# Altium PCB AT91-PCB.PcbDoc (part 2 of 3)
Units mm, origin at the board's own origin, x right, y up, seen from the top; angles counter-clockwise.
Board outline 112.5 x 92.7 mm, 2 copper layers (Top Layer, Bottom Layer), stack 1.671 mm thick; 226 components, 269 nets, 1126 pads, 364 vias.
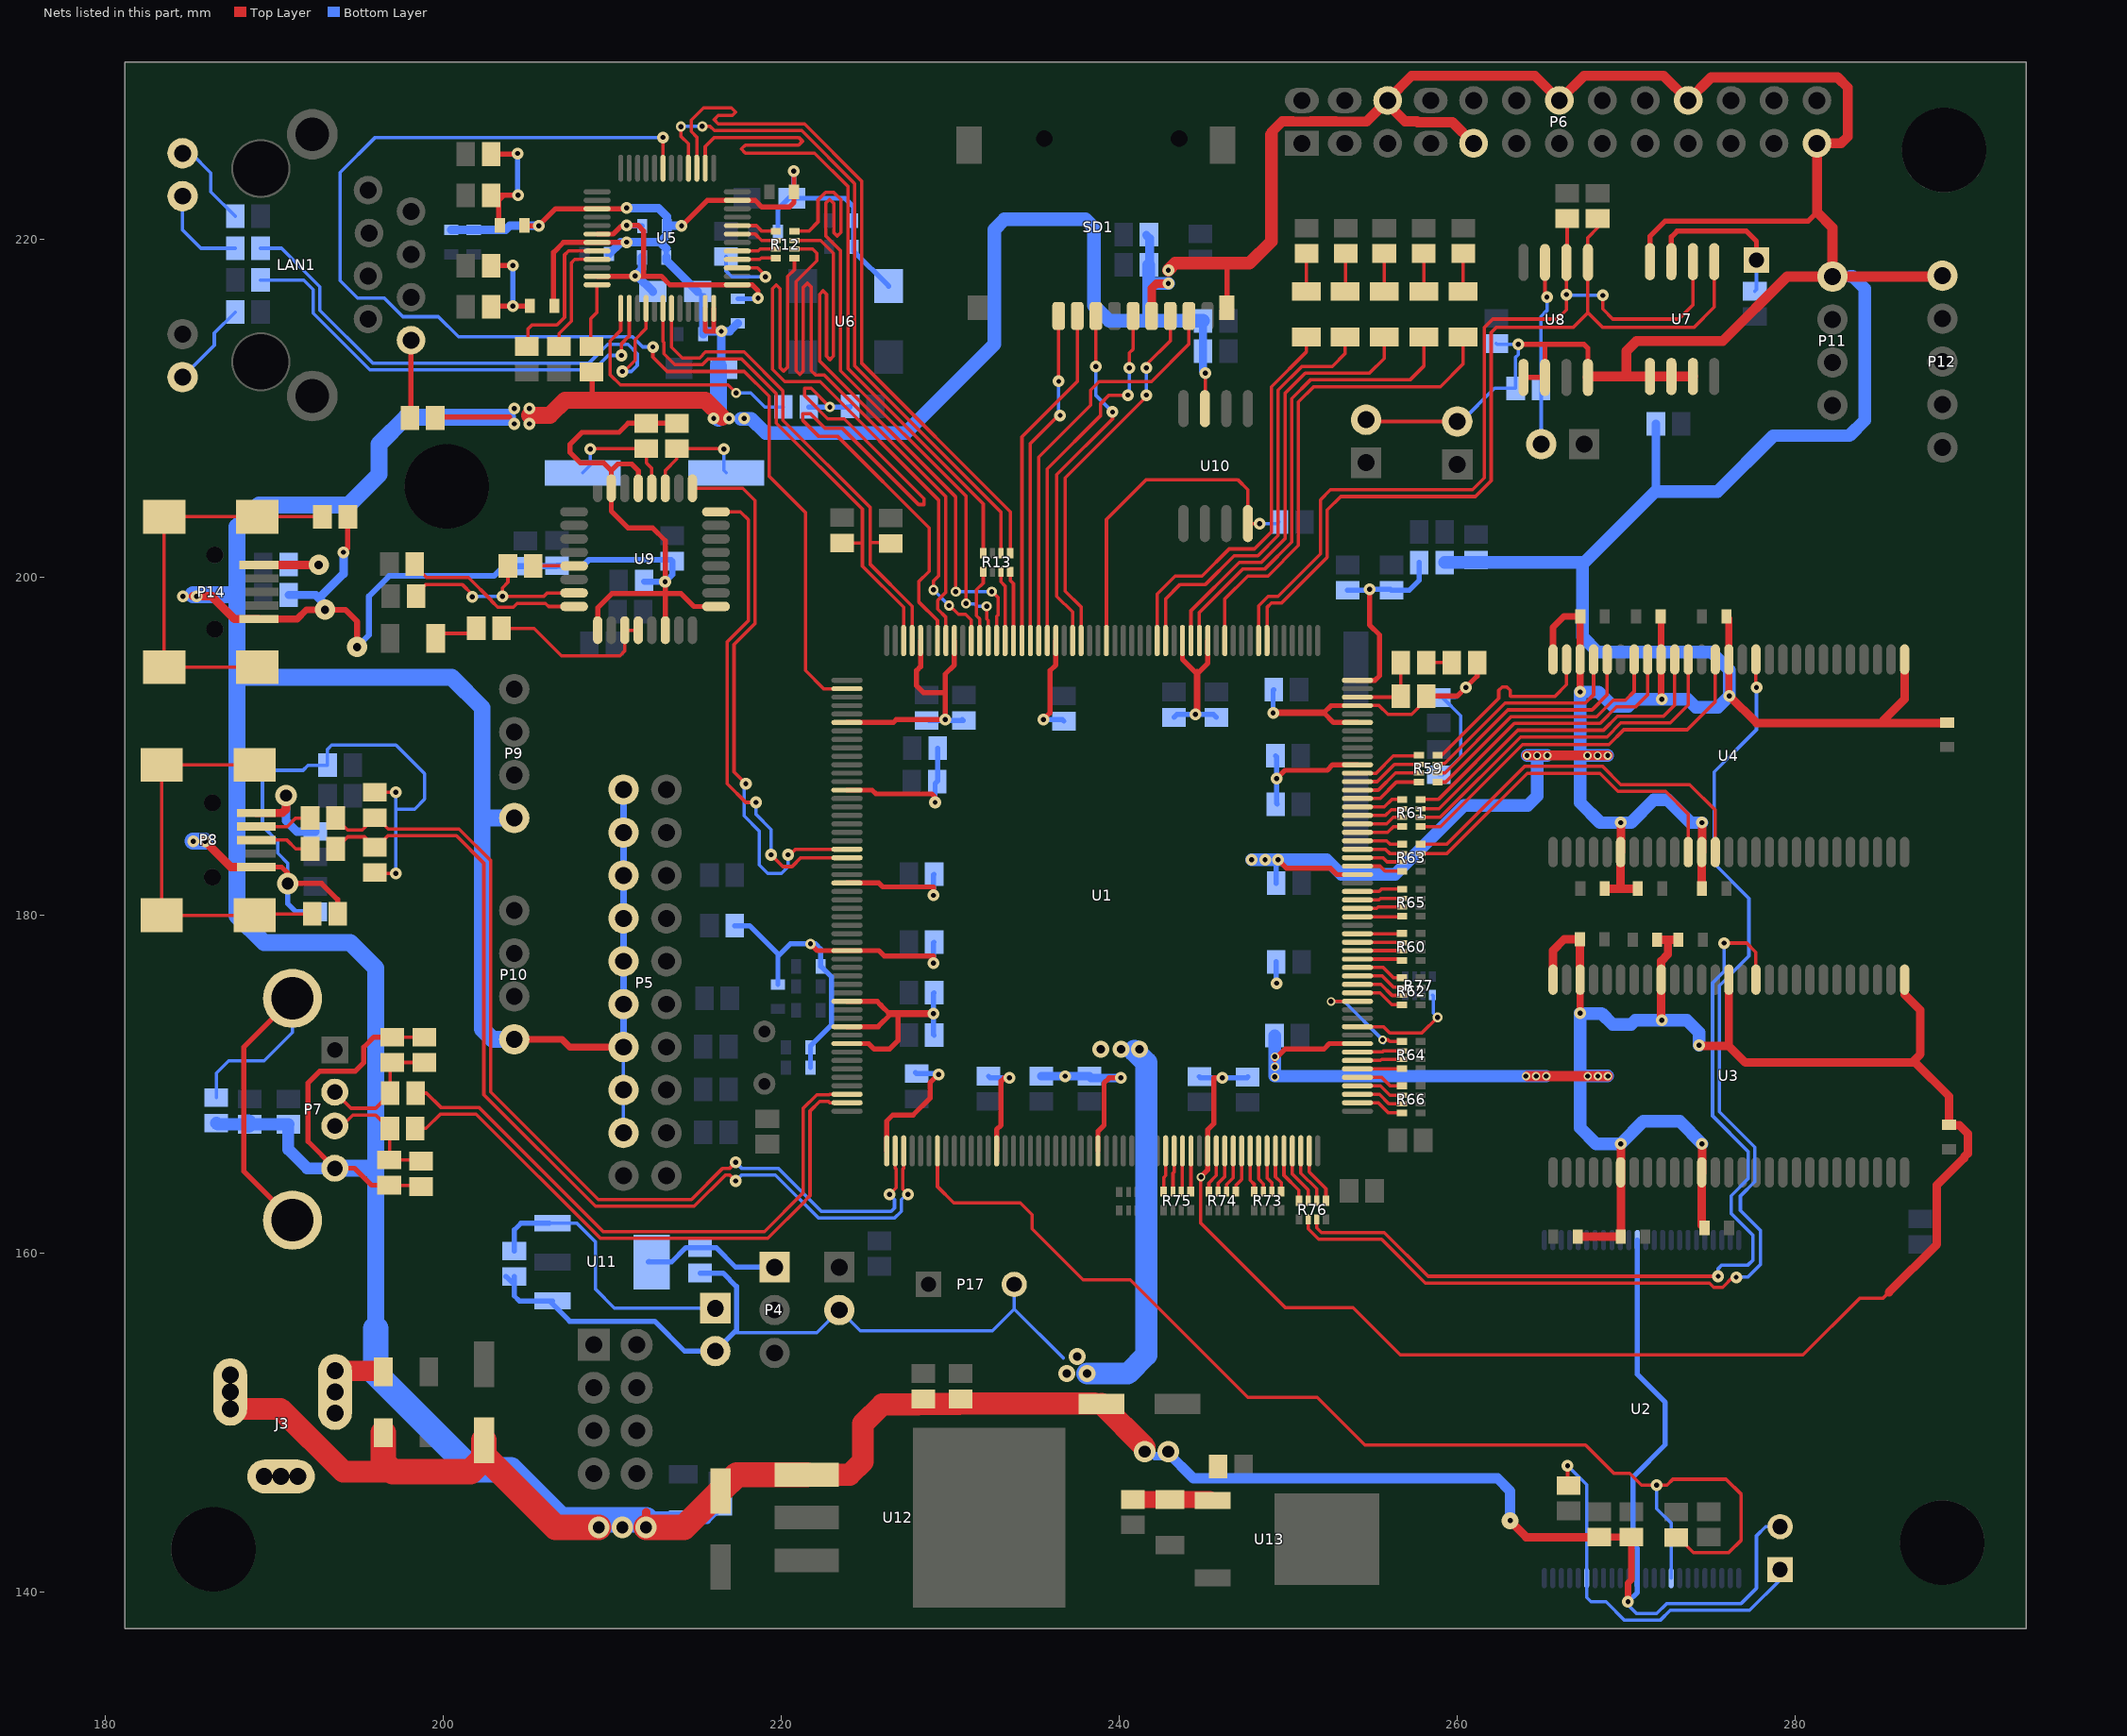
[diagram p2: the nets of this part, all layers, seen from the top]

## Via types
v1: diameter 0.7, hole 0.3, Top Layer to Bottom Layer, 267 vias
v2: diameter 1.27, hole 0.711, Top Layer to Bottom Layer, 40 vias
v3: diameter 0.5, hole 0.3, Top Layer to Bottom Layer, 21 vias
v4: diameter 0.6, hole 0.3, Top Layer to Bottom Layer, 16 vias
v5: diameter 1, hole 0.5, Top Layer to Bottom Layer, 15 vias
v6: diameter 1.2, hole 0.5, Top Layer to Bottom Layer, 3 vias
v7: diameter 1, hole 0.3, Top Layer to Bottom Layer, 2 vias

## Nets (pads, with @x,y where several pads share a name; then routed paths per layer and width w, separated by ;. In a path a pad name is that pad's centre, name@x,y a point inside that pad or via, vN(x,y) a via of type N, cw(c..) or ccw(c..) an arc to the next point about the centre after c; other vN are vias at no path point) (continued)
D22: R63.7 U4.11 | length 21
  Top Layer w0.2: R63.7@257.83,183.68 259.396,183.68 264.141,188.425 268.434,188.425 269.509,187.35 272.316,187.35 273.664,186.002 U4.11@273.664,183.759
D23: R63.8 U4.13 | length 22.9
  Top Layer w0.2: R63.8@257.83,184.23 259.38,184.23 263.975,188.825 268.6,188.825 269.675,187.75 273.75,187.75 275.264,186.236 U4.13@275.264,183.759
D24: R61.5 U4.42 | length 23
  Top Layer w0.2: R61.5@257.83,185.27 259.001,185.27 263.856,190.125 268.975,190.125 269.85,191 273.6,191 275.264,192.664 U4.42@275.264,195.159
D25: R61.6 U4.44 | length 21.3
  Top Layer w0.2: R61.6@257.83,185.82 258.986,185.82 263.741,190.575 268.85,190.575 269.675,191.4 272.6,191.4 273.664,192.464 U4.44@273.664,195.159
D26: R61.7 U4.45 | length 20.3
  Top Layer w0.2: R61.7@257.83,186.32 258.92,186.32 263.575,190.975 268.65,190.975 269.475,191.8 272.2,191.8 272.864,192.464 U4.45@272.864,195.159
D27: R61.8 U4.47 | length 18.1
  Top Layer w0.2: R61.8@257.83,186.87 258.87,186.87 263.375,191.375 268.45,191.375 269.425,192.35 270.55,192.35 271.264,193.064 U4.47@271.264,195.159
D28: R59.5 U4.48 | length 15.8
  Top Layer w0.2: R59.5@258.83,187.9 259.3,187.9 263.175,191.775 268.25,191.775 269.225,192.75 269.95,192.75 270.464,193.264 U4.48@270.464,195.159
D29: R59.6 U4.50 | length 14
  Top Layer w0.2: R59.6@258.83,188.45 259.27,188.45 262.995,192.175 267.975,192.175 268.864,193.064 U4.50@268.864,195.159
D30: R59.7 U4.51 | length 13
  Top Layer w0.2: R59.7@258.83,188.95 258.88,189 259.254,189 262.829,192.575 267.575,192.575 268.064,193.064 U4.51@268.064,195.159
D31: R59.8 U4.53 | length 11.8
  Top Layer w0.2: R59.8@258.83,189.5 259.1,189.5 262.45,192.85 262.45,193.325 262.65,193.525 262.925,193.525 263.125,193.325 263.125,193 263.15,192.975 265.775,192.975 266.464,193.664 U4.53@266.464,195.159
DATAFLASH_CSN: R57.2 U1.182 U10.4 | length 20.6
  Top Layer w0.2: U1.182@239.239,196.278 239.239,203.439 241.6,205.8 247,205.8 247.605,205.195 U10.4@247.605,203.2 v1(248.3,203.2)
  Bottom Layer w0.2: v1(248.3,203.2) 249.35,203.2 R57.2@249.45,203.3
DD_N: C92.2 R50.1 U1.54 | length 57
  Top Layer w0.2: R50.1@193.625,185.775 194.337,185.062 195.213,185.062 C92.2@195.95,185.8 196.07,185.8 196.745,185.125 200.941,185.125 202.8,183.266 202.8,169.566 209.166,163.2 214.684,163.2 216.534,165.05 216.95,165.05 v1(217.3,165.4) v1@217.199,165.4 ; v1(226.4,163.5) 226.789,163.889 226.789,165.003 226.739,165.053 U1.54@226.739,166.078
  Bottom Layer w0.2: v1(217.3,165.4) 217.65,165.05 219.816,165.05 222.366,162.5 226.5,162.5 226.7,162.7 226.7,163.2 v1(226.4,163.5)
DD_P: C93.2 R51.1 U1.55 | length 57.8
  Top Layer w0.2: R51.1@193.625,183.95 194.337,184.662 195.337,184.662 C93.2@195.95,184.05 196.05,184.05 196.725,184.725 200.775,184.725 202.4,183.1 202.4,169.4 209,162.8 214.85,162.8 216.7,164.65 216.95,164.65 v1(217.3,164.3) ; U1.55@227.239,166.078 227.239,165.053 227.189,165.003 227.189,163.811 v1(227.5,163.5)
  Bottom Layer w0.2: v1(217.3,164.3) 217.65,164.65 219.65,164.65 222.2,162.1 226.7,162.1 227.1,162.5 227.1,163.2 227.5,163.6 v1(227.5,163.5)
DRXD: U1.21 U9.25 | length 33.4
  Top Layer w0.2: U9.25@214.738,205.292 217.725,205.292 218.45,204.567 218.45,197.284 217.2,196.034 217.2,188.5 v1(217.9,187.8) ; v1@220.4,183.799 v1(220.4,183.6) 220.5,183.6 220.828,183.928 U1.21@223.889,183.928
  Bottom Layer w0.2: v1(217.9,187.8) 217.8,187.7 217.8,185.9 218.7,185 218.7,183 219.2,182.5 220,182.5 220.4,182.9 v1(220.4,183.6)
DTXD: U1.22 U9.24 | length 28.9
  Top Layer w0.2: U9.24@216.138,203.892 217.583,203.892 218.05,203.425 218.05,197.45 216.8,196.2 216.8,187.8 217.9,186.7 v1(218.5,186.7) ; v1(219.4,183.6) 220.1,182.9 220.634,182.9 221.163,183.428 U1.22@223.889,183.428
  Bottom Layer w0.2: v1(218.5,186.7) 218.5,186 219.4,185.1 v1(219.4,183.6)
EMDC: R16.1 U1.205 U5.31 | length 29.4
  Top Layer w0.2: U5.31@213.5,215.93 213.5,213.641 214.141,213 215.169,213 215.519,213.35 217.8,213.35 220.1,211.05 220.1,209.316 225.25,204.166 225.25,202.075 ; R16.1@226.475,202.025 226.425,202.075 225.25,202.075 ; U1.205@227.739,196.278 227.739,198.311 225.25,200.8 225.25,202.075
EMDINTR: U1.2 U5.7 | length 76.8
  Top Layer w0.2: v1(212.4,213.65) 212.4,213.05 213.25,212.2 217.8,212.2 219.275,210.725 219.275,206 221.425,203.85 221.425,194.5 222.497,193.428 U1.2@223.889,193.428 ; U5.7@213,224.23 v1(213,226.05)
  Bottom Layer w0.2: v1(212.4,213.65) 211.8,213.65 211.2,214.25 200.9,214.25 199.711,215.439 197.615,215.439 196.504,216.55 194.925,216.55 193.9,217.575 193.9,223.975 195.975,226.05 v1(213,226.05)
EMDIO: R17.2 U1.206 U5.30 | length 29.6
  Top Layer w0.2: U5.30@213,215.93 213,213.969 213.05,213.919 213.05,213.25 213.7,212.6 215.335,212.6 215.685,212.95 217.634,212.95 219.7,210.884 219.7,209.15 224.8,204.05 224.8,202.025 ; R17.2@223.6,202.05 224.775,202.05 224.8,202.025 ; U1.206@227.239,196.278 227.239,198.246 224.8,200.684 224.8,202.025
EP_WP: P1.2 R32.2 U8.7 | length 11.1
  Top Layer w0.2: v1(265.3,216.6) 265.185,216.715 U8.7@265.185,218.649 U8.7@265.3,218.534
  Bottom Layer w0.2: P1.2@264.96,207.9 264.96,211.19 R32.2@264.95,211.2 264.95,215.45 265.3,215.8 v1(265.3,216.6)
ERX0: R12.3 U1.195 | length 39.8
  Top Layer w0.2: R12.3@220.775,219.95 222.334,219.95 223.08,219.205 223.08,213.105 222.875,212.9 222.675,213.1 222.675,216.775 222.475,216.975 222.275,216.775 222.275,212.816 230.325,204.766 v4(230.325,199.175) ; v4(232.45,199.175) 232.475,199.175 232.839,198.811 232.839,197.814 232.739,197.714 U1.195@232.739,196.278
  Bottom Layer w0.2: v4(230.325,199.175) v4(232.45,199.175) 232.45,199.225 v4@232.475,199.25
ERX1: R12.4 U1.196 | length 40.5
  Top Layer w0.2: R12.4@220.775,220.5 221.625,220.5 222.175,221.05 222.175,222.35 222.625,222.8 223.1,222.8 223.525,222.375 223.525,220.425 223.313,220.212 223.1,220.425 223.1,222.15 222.863,222.388 222.625,222.15 222.625,220.225 223.5,219.35 223.5,212.25 230.925,204.825 v4(230.925,198.475) ; U1.196@232.239,196.278 232.239,197.464 232.15,197.552 v4(232.15,198.3) v4@232.325,198.3
  Bottom Layer w0.2: v4(230.925,198.475) 230.95,198.45 231.425,198.45 231.575,198.3 v4@232.075,198.3 ; v4@232.175,198.4 v4@232.075,198.3 ; v4@232.302,198.3 v4(232.15,198.3) v4@232.075,198.3
ERXDV: R12.1 U1.198 | length 40
  Top Layer w0.2: 220.375,212.975 220.375,212.45 220.138,212.212 219.925,212.425 219.925,217.1 219.7,217.325 219.475,217.1 219.475,212.325 220.2,211.6 222.3,211.6 229.3,204.6 229.3,200.1 229,199.8 v4(229,199.275) ; 220.375,213 220.375,217.825 220.775,218.225 R12.1@220.775,218.9 ; v4(229.925,198.35) 229.95,198.35 230.475,197.825 230.9,197.825 231.239,197.486 U1.198@231.239,196.278
  Bottom Layer w0.2: v4(229,199.275) v4(229.925,198.35)
ERXER: R12.2 U1.201 | length 40
  Top Layer w0.2: R12.2@220.775,219.45 221.85,219.45 222.1,219.2 222.1,218.75 220.875,217.525 220.875,212.25 221.1,212.025 221.3,212.225 221.3,216.175 221.3,217.175 221.55,217.425 221.775,217.2 221.775,212.25 222.025,212 222.525,212 229.725,204.8 229.725,199.125 229.25,198.65 229.25,198.139 229.739,197.65 U1.201@229.739,196.278
ETX0: R13.8 U1.193 | length 4.2
  Top Layer w0.2: R13.8@233.55,200.35 233.55,199.825 233.739,199.636 U1.193@233.739,196.278 U1.193@233.7,196.317
ETX1: R13.7 U1.194 | length 4.2
  Top Layer w0.2: R13.7@233,200.35 233,199.75 233.239,199.511 U1.194@233.239,196.278
ETXCK: R69.1 R70.1 U1.202 | length 42.1
  Top Layer w0.2: v4(222.875,210.1) 221.775,211.2 221.375,211.2 221.375,210.775 222.75,209.4 223.725,209.4 228.45,204.675 228.45,204.325 228.125,204.325 223.625,208.825 222.6,208.825 221.725,209.7 221.275,209.7 221.275,209.3 222.225,208.35 223.35,208.35 228.75,202.95 228.75,200.375 228.125,199.75 228.125,198.575 229.239,197.461 U1.202@229.239,196.278
  Bottom Layer w0.3: R70.1@221.625,210.1 v4(222.875,210.1) 224.05,210.1 R69.1@224.075,210.125
ETXEN: R13.5 U1.197 | length 4.3
  Top Layer w0.2: U1.197@231.739,196.278 231.739,197.561 231.55,197.75 231.55,199.275 231.95,199.675 R13.5@231.95,200.35
GND: BT1.2 C1.2 C2.1 C3.1 C4.1 C5.1 C6.1 C7.1 C8.1 C9.1 C10.1 C11.1 C12.1 C13.1 C14.1 C15.1 C16.1 C17.1 C18.1 C19.1 C20.1 C21.1 C22.1 C23.2 C24.2 C25.2 C26.1 C27.1 C28.1 C29.2 C30.2 C31.1 C32.1 C33.1 C34.1 C35.1 C36.1 C37.1 C38.2 C39.1 C40.1 C41.2 C42.1 C43.1 C44.1 C45.1 C46.1 C47.1 C48.1 C49.1 C50.1 C51.1 C52.1 C53.1 C54.1 C55.1 C56.1 C57.1 C58.1 C59.1 C60.1 C61.1 C62.1 C63.1 C64.1 C65.1 C66.1 C67.1 C68.1 C69.1 C70.1 C71.1 C74.1 C75.1 C76.1 C77.1 C78.1 C79.1 C80.1 C81.1 C82.1 C83.1 C84.1 C85.2 C86.2 C87.1 C88.1 C89.1 C90.1 C91.1 C92.1 C93.1 C94.1 C95.1 C96.1 C97.1 C98.1 C99.2 C100.1 C101.1 C102.1 J3.2 J3.2A J3.2B L5.2 P5.4 P5.6 P5.8 P5.10 P5.12 P5.14 P5.16 P5.18 P5.20 P6.6 P6.9 P6.14 P6.20 P6.25 P7.4 P8.5 P9.4 P10.4 P11.4 P12.5 P14.5 P15.2 P16.2 P17.3 P18.2 P19.2 pad.3@187.4,151.811 R22.1 R32.1 R44.1 R45.1 R49.2 R81.2 R84.2 SD1.6 SD1.10 U1.6 U1.14 U1.25 U1.33 U1.39 U1.42 U1.44 U1.53 U1.66 U1.78 U1.91 U1.113 U1.133 U1.146 U1.151 U1.153 U1.170 U1.173 U1.188 U1.200 U1.204 U2.13 U2.36 U3.6 U3.12 U3.28 U3.41 U3.46 U3.52 U3.54 U4.6 U4.12 U4.28 U4.41 U4.46 U4.52 U4.54 U5.15 U5.19 U5.35 U5.36 U5.47 U6.2 U7.4 U7.5 U7.6 U7.7 U8.1 U8.2 U8.4 U9.9 U9.14 U9.17 U9.29 U9.31 U10.7 U11.1 U12.1 U13.1 | length 1313.5
  Top Layer w0.2: C93.1@195.95,182.55 196,182.5 v1(197.2,182.5) ; C92.1@195.95,187.3 v1(197.2,187.3) ; R45.1@196.799,164.045 198.603,164.045 C86.2@198.679,163.969 ; R44.1@196.977,172.81 C85.2@198.882,172.81 ; v3(244.837,164.533) 244.8,164.496 244.8,161.825 249.825,156.8 253.825,156.8 256.617,154.008 280.458,154.008 283.8,157.35 285.175,157.35 285.537,157.712 ; U10.7@245.065,210 245.1,210.035 v1(245.1,212.1) ; U1.153@254.089,192.428 255.372,192.428 255.9,191.9 257.3,191.9 258.154,192.754 C1.2@258.154,192.989 ; P18.2@254.4,209.34 254.5,209.24 P19.2@259.5,209.24 ; v1@276.064,193.036 v1(276.1,193)
  Top Layer w0.3: P8.5@188.934,182.87 190.43,182.87 190.8,182.5 v2(190.8,181.9) 192.8,181.9 193.75,180.95 C91.1@193.75,180.1 ; v1(194.1,201.5) 194.35,201.75 C95.1@194.35,203.6 ; R45.1@196.799,164.045 195.755,164.045 194.747,165.053 P7.4@193.578,165.053 192,166.631 192,170.1 192.7,170.8 194.8,170.8 195.3,171.3 195.3,172.219 195.89,172.81 R44.1@196.977,172.81 ; C102.1@199.65,209.35 199.8,209.5 203.925,209.5 ; C24.2@205.025,220.825 v1(205.65,220.825) 206.655,221.83 U5.15@209.1,221.83 210.995,221.83 210.99,221.825 v1@210.85,221.825 ; C23.2@206.525,216.325 206.525,219.25 207.105,219.83 U5.19@209.1,219.83 210.855,219.83 v1@210.875,219.85 ; 208.8,210.5 R22.1@208.8,212.475 ; 208.8,210.725 209.025,210.5 ; U9.9@209.138,196.892 209.138,198.213 209.975,199.05 214.075,199.05 214.833,198.292 U9.17@216.138,198.292 ; U9.29@211.538,205.292 211.538,206.337 211.15,206.725 210.325,206.725 209.938,206.338 ; v1(213.125,199.75) v1@213.138,199.75 ; U9.14@213.138,196.892 v1@213.138,199.75 ; C38.2@213.817,209.132 C41.2@212.014,209.132 210.932,209.132 210.4,208.6 208.2,208.6 207.5,207.9 207.5,207.4 208.1,206.8 209.475,206.8 209.938,206.338 ; v1(214.1,220.825) 214.1,220.8 215.63,222.33 U5.47@217.4,222.33 218.445,222.33 218.85,221.925 220.475,221.925 220.75,222.2 C101.1@220.75,222.825 220.75,224.025 v1(220.725,224.05) ; U5.35@215.5,215.93 215.5,214.625 215.55,214.575 215.975,214.575 ; U5.36@216,215.93 216,214.6 215.975,214.575 ; v1(216.45,214.575) 215.975,214.575 ; v4(221.725,178.325) 222.122,177.928 U1.33@223.889,177.928 225.772,177.928 226.1,177.6 229,177.6 v1(229,177.2) ; U1.44@223.889,172.428 225.172,172.428 225.5,172.1 226.4,172.1 226.9,172.6 226.9,174.2 ; U1.42@223.889,173.428 225.728,173.428 226.5,174.2 227.6,174.2 ; U1.39@223.889,174.928 225.672,174.928 225.9,174.7 226.4,174.2 ; U1.25@223.889,181.928 225.772,181.928 226,181.7 229,181.7 v1(229,181.2) ; U1.14@223.889,187.428 225.372,187.428 225.6,187.2 228.9,187.2 229.1,187 v1(229.1,186.7) ; U1.6@223.889,191.428 226.628,191.428 226.8,191.6 v1(229.7,191.6) 229.7,193.2 ; U1.53@226.239,166.078 226.239,167.839 226.6,168.2 227.8,168.2 228.8,169.2 228.8,170.1 v1(229.3,170.6) ; U1.204@228.239,196.278 228.239,194.739 228,194.5 228,193.6 228.4,193.2 229.7,193.2 ; U1.200@230.239,196.278 230.239,194.839 229.7,194.3 229.7,193.2 ; U1.66@232.739,166.078 232.739,167.339 233,167.6 233,170.2 233.2,170.4 v1(233.5,170.4) ; v1(235.5,191.6) 235.9,192 235.9,194.5 236.239,194.839 U1.188@236.239,196.278 ; U1.78@238.739,166.078 238.739,167.239 239.1,167.6 239.1,170.1 239.4,170.4 v1(240.1,170.4) ; U1.173@243.739,196.278 243.739,195.161 244.6,194.3 245.239,194.939 U1.170@245.239,196.278 ; v1(244.5,191.9) v1@244.6,191.9 ; v3(244.837,164.533) 244.837,164.562 245.239,164.964 U1.91@245.239,166.078 245.239,167.339 245.6,167.7 245.6,170.4 v1(246.1,170.4) ; SD1.10@246.365,215.982 246.365,218.565 246.4,218.6 ; v3@249.2,171.5 249.8,172.1 252.1,172.1 252.428,172.428 U1.113@254.089,172.428 ; v1(249.3,188.1) 249.8,188.6 252.3,188.6 252.628,188.928 U1.146@254.089,188.928 ; v1(249.4,183.3) 249.9,182.8 252.5,182.8 252.872,182.428 U1.133@254.089,182.428 ; U1.151@254.089,191.428 252.672,191.428 252.1,192 252.528,192.428 U1.153@254.089,192.428 ; P6.6@255.88,228.24 P6.6@255.88,228.28 ; C1.2@258.154,192.989 259.989,192.989 v1(260.5,193.5) 261.176,194.176 C2.1@261.176,194.97 ; v1(263.6,213.8) 267.5,213.8 267.725,213.575 U8.4@267.725,211.849 ; U8.1@263.915,211.849 U8.2@265.185,211.849 265.185,213.785 ; U7.4@271.395,218.7 271.395,220.195 272.3,221.1 280.76,221.1 281.28,221.62 ; v1@272.064,192.836 v1(272.1,192.8) ; 287.1,171.3 287.1,171.5 ; 209.938,206.338 U9.31@209.938,205.292 209.938,203.937 210.925,202.95 212.375,202.95 213.138,202.187 v1@213.138,199.75
  Top Layer w0.35: v6(193,198.1) 194.2,198.1 194.9,197.4 v6(194.9,195.9)
  Top Layer w0.4: P14.5@189.087,197.552 191.352,197.552 191.9,198.1 v6(193,198.1) ; P10.4@204.2,172.68 207.02,172.68 207.48,172.22 P5.8@210.66,172.22 ; 226.4,174.2 v1(229,174.2) ; v1@244.6,191.9 244.6,194.4 ; v1(249.1,192) 252.1,192 ; U4.54@265.664,195.159 265.664,197.064 266.3,197.7 267.25,197.7 267.264,197.686 U4.52@267.264,195.159 v1(267.264,193.236) ; v1(267.264,174.238) U3.52@267.264,176.16 ; C15.1@268.5,143.225 C14.1@270.3,143.225 270.3,140.7 270.1,140.5 v1(270.1,139.4) ; C16.1@272.05,197.7 272.064,197.686 U4.46@272.064,195.159 v1@272.064,192.836 ; C18.1@275.95,197.7 276.064,197.586 U4.41@276.064,195.159 v1@276.064,193.036 ; 276.064,174.038 U3.41@276.064,176.16 ; P12.5@288.66,217.82 P12.5@288.7,217.86
  Top Layer w0.5: v1@185.2,198.9 186.3,198.9 187.648,197.552 P14.5@189.087,197.552 ; v1(185.9,184.4) 187.43,182.87 P8.5@188.934,182.87 ; v2(212,143.8) 212,144.7 ; SD1.6@241.915,215.482 241.915,217.115 242.2,217.4 v1(242.9,217.4) ; v7(263.125,144.2) 263.1,144.2 264.075,143.225 C15.1@268.4,143.225 ; U3.54@265.664,176.21 265.664,177.939 266.325,178.6 267.125,178.6 267.264,178.461 U3.52@267.264,176.21 ; C10.1@267.125,161 269.575,161 269.675,161.1 269.675,164.799 U3.6@269.664,164.81 U3.6@269.65,164.797 ; C21.1@268.725,181.6 269.664,181.6 ; U3.6@269.675,164.772 v1(269.675,166.502) ; v1(269.675,185.5) 269.675,183.77 U4.6@269.664,183.759 269.664,181.6 ; C22.1@270.475,181.6 269.664,181.6 ; C8.1@271.825,178.575 272.463,178.575 ; v1(272.1,173.802) 272.064,173.838 U3.46@272.064,176.21 272.064,177.314 272.463,177.712 272.463,178.575 ; C12.1@273.1,178.575 272.463,178.575 ; v1(274.3,172.325) 274.339,172.286 276.064,172.286 ; U3.12@274.475,164.772 U3.12@274.475,164.799 ; v1(274.475,166.502) U3.12@274.475,164.799 ; C19.1@274.475,181.6 274.464,181.611 U4.12@274.464,183.759 274.475,183.77 v1(274.475,185.5) ; C7.1@274.625,161.525 274.464,161.686 U3.12@274.464,164.81 U3.12@274.475,164.799 ; U3.41@276.064,176.21 276.064,172.286 ; v1(276.1,193) 277.7,191.4 C20.1@288.8,191.4 ; 285.2,191.55 286.464,192.814 U4.28@286.464,195.159 ; 285.537,157.712 288.375,160.55 288.375,164.05 289.975,165.65 289.975,165.7 290.2,165.925 290.2,167.1 289.7,167.6 289.125,167.6 C11.1@289.1,167.625 289.1,169.3 287.1,171.3 ; U3.28@286.464,176.21 286.464,175.336 287.4,174.4 287.4,171.8 287.1,171.5 286.9,171.3 277.05,171.3 276.064,172.286
  Top Layer w0.6: 249,226.2 249,226.357 249.643,227 250.272,227 250.282,226.99 251.318,226.99 251.328,227 252.812,227 252.822,226.99 254.63,226.99 P6.6@255.88,228.24 255.88,228.02 256.9,227 257.602,227 257.652,226.95 259.71,226.95 P6.9@260.96,225.7 ; P6.6@255.88,228.28 257.3,229.7 264.58,229.7 P6.14@266.04,228.24 267.5,229.7 272.2,229.7 P6.20@273.66,228.24 275.02,229.6 282.5,229.6 283.1,229 283.1,226.1 282.7,225.7 P6.25@281.28,225.7 281.28,221.62 282.2,220.7 P11.4@282.2,217.82 ; v3(264.125,189.475) v3(264.725,189.475) v3(265.325,189.475) v3(267.7,189.475) v3(268.9,189.475) ; v3@264.137,170.5 v3(267.712,170.5) v3(268.312,170.5) v3(268.912,170.5) ; U8.4@267.725,211.849 267.775,211.9 270,211.9 ; U7.7@273.935,211.9 U7.6@272.665,211.9 U7.5@271.395,211.9 270,211.9 ; P12.5@288.66,217.82 P11.4@282.2,217.82 ; 270,211.9 270,213.4 270.6,214 275.7,214 279.52,217.82 P11.4@282.2,217.82
  Top Layer w0.75: v1(242.9,218.2) 243.3,218.6 246.4,218.6 247.7,218.6 249,219.9 249,226.2
  Top Layer w1: C78.1@202.4,147.9 C78.1@202.4,148.95 ; 205.1,209.6 206.3,209.6 207.2,210.5 208.8,210.5 ; 209.025,210.5 215.5,210.5 216.5,209.5 ; C70.1@228.075,151.075 C70.1@228.3,151.1 ; C82.1@238.525,151.125 C82.1@238.6,151.2 ; C81.1@240.8,145.45 C80.1@243,145.45 U13.1@245.35,145.45 ; v2(241.5,148.275) v2@241.5,148.55
  Top Layer w1.3: J3.2A@187.4,150.811 190.364,150.811 194.075,147.1 197,147.1 ; U12.1@221.5,146.915 224.04,146.915 224.825,147.7 224.825,149.925 225.975,151.075 C70.1@228.075,151.075 ; C70.1@228.3,151.1 230.5,151.1 230.875,151.125 C82.1@238.525,151.125 ; C82.1@238.95,151.1 v2@241.5,148.55
  Top Layer w1.5: C77.1@196.45,149.4 196.45,147.65 197,147.1 201.6,147.1 C78.1@202.4,147.9 ; C78.1@202.4,148.95 202.4,148.05 206.65,143.8 v2(209.2,143.8) ; v2(212,143.8) 214.25,143.8 C74.1@216.4,145.95 217.365,146.915 U12.1@221.5,146.915
  Bottom Layer w0.2: v2(190.8,181.9) 190.8,183.1 190.2,183.7 190.2,184.4 189.3,185.3 189.3,188.2 189.7,188.6 191.7,188.6 192,188.9 R49.2@193.15,188.9 193.15,189.85 193.4,190.1 197.2,190.1 198.9,188.4 198.9,186.9 198.3,186.3 197.2,186.3 ; v1(197.2,182.5) 197.2,186.3 ; v1(197.2,187.3) 197.2,186.3 ; P5.4@210.66,167.14 P5.6@210.66,169.68 P5.8@210.66,172.22 ; 217.195,155.325 222.095,155.325 P16.2@223.43,156.66 224.665,155.425 232.485,155.425 233.78,156.72 ; P17.3@233.78,158.175 233.78,156.72 ; 236.675,153.825 233.78,156.72 ; C83.1@241.599,220.269 241.625,220.244 241.625,218.466 C84.1@241.67,218.42 ; C84.1@241.75,218.341 C84.1@241.8,218.291 ; P18.2@254.4,209.34 P18.2@254.5,209.24 ; C3.1@258.905,188.329 259.129,188.329 260.2,189.4 260.2,191.825 C4.1@259.122,192.903 ; C4.1@258.905,192.903 259.903,192.903 v1(260.5,193.5) ; P19.2@259.5,209.24 260.24,209.24 262.2,211.2 R32.1@263.45,211.2 263.45,213.05 263.6,213.2 v1(263.6,213.8) 262.35,213.8 C35.1@262.3,213.85 ; v1(270.1,139.4) 270.1,139.2 270.6,138.7 271.8,138.7 272.4,139.3 276.8,139.3 277.7,140.2 277.7,143.3 278.24,143.84 P15.2@279.1,143.84
  Bottom Layer w0.3: C88.1@188.471,167.725 C88.1@188.544,167.652 ; v2(190.8,181.9) 190.8,180.7 191.275,180.225 C90.1@192.43,180.225 ; C67.1@203.7,158.65 C67.1@204.2,158.15 ; C67.1@204.2,158.65 C67.1@204.2,158.15 ; 205.15,157.2 U11.1@206.275,157.2 ; U11.1@206.475,157.2 U11.1@206.275,157.2 ; 210.5,219.85 v1@210.875,219.85 ; C33.1@213.2,218.95 213.2,219.475 ; C32.1@213.225,220.8 C32.1@213.25,220.825 ; C29.2@215.05,216.925 C29.2@215.375,216.6 ; C68.1@215.2,158.85 216.55,158.85 217.35,158.05 217.35,155.48 217.195,155.325 BT1.2@216.1,154.23 214.27,154.23 212.5,156 207.475,156 U11.1@206.275,157.2 ; C100.1@215.375,214.4 C100.1@215.55,214.575 ; C97.1@217.25,179.4 218.125,179.4 219.8,177.725 219.8,177.6 ; R84.2@219.8,175.925 219.8,177.6 ; C27.1@219.8,220.7 219.8,221.8 220.725,222.725 v1(220.725,224.05) ; C30.2@220.625,222.45 223.775,222.45 224.275,221.95 C34.1@224.275,219.575 224.275,219.33 U6.2@226.355,217.25 ; C5.1@221.725,171 C6.1@221.725,172.2 221.725,172.3 222.975,173.55 222.975,176.37 222.345,177 R81.2@222.325,177 222.325,178.025 222.025,178.325 v4(221.725,178.325) 220.525,178.325 219.8,177.6 ; C47.1@227.95,170.7 C47.1@228,170.65 229.25,170.65 v1(229.3,170.6) ; C63.1@228.752,191.553 230.759,191.553 C51.1@230.712,191.6 ; v1(229,177.2) 229,178.39 C48.1@229.045,178.435 ; v1(229,181.2) 229,182.403 C49.1@229.045,182.448 ; C60.1@229.045,172.923 229,172.968 v1(229,174.2) 229,175.393 C61.1@229.045,175.438 ; v1(229.1,186.7) 229.1,187.812 C50.1@229.223,187.935 229.25,187.962 C96.1@229.25,189.9 ; C57.1@232.258,170.498 232.356,170.4 v1(233.5,170.4) ; v1(235.5,191.6) 236.631,191.6 C52.1@236.728,191.503 ; C62.1@238.227,170.498 C62.1@238.325,170.4 ; C64.1@243.23,191.731 243.399,191.9 v1(244.5,191.9) 245.576,191.9 C53.1@245.745,191.731 ; C56.1@244.729,170.473 244.802,170.4 v1(246.1,170.4) 247.55,170.4 C45.1@247.6,170.45 ; v3(244.837,164.533) 244.842,164.533 v3@244.875,164.5 ; v1(249.1,192) 249.1,193.335 C65.1@249.135,193.37 ; C55.1@249.186,172.898 C55.1@249.2,172.884 ; C66.1@249.237,189.459 249.3,189.395 v1(249.3,188.1) 249.3,186.65 C59.1@249.35,186.6 ; C46.1@249.288,177.267 249.288,176.012 v1(249.3,176) ; C54.1@249.288,181.915 249.288,183.188 v1(249.4,183.3) ; v1(270.1,139.4) 270.65,139.95 U2.13@270.65,140.8 270.65,142.55 270.4,142.8 270.4,146.8 272.3,148.7 272.3,151.2 270.65,152.85 U2.36@270.65,160.8 ; P11.4@282.2,217.82 283.28,217.82 ; C67.1@204.2,158.15 204.2,157.5 204.5,157.2 U11.1@206.275,157.2